# Altium PCB Board.PcbDoc (part 3 of 7) (continued)
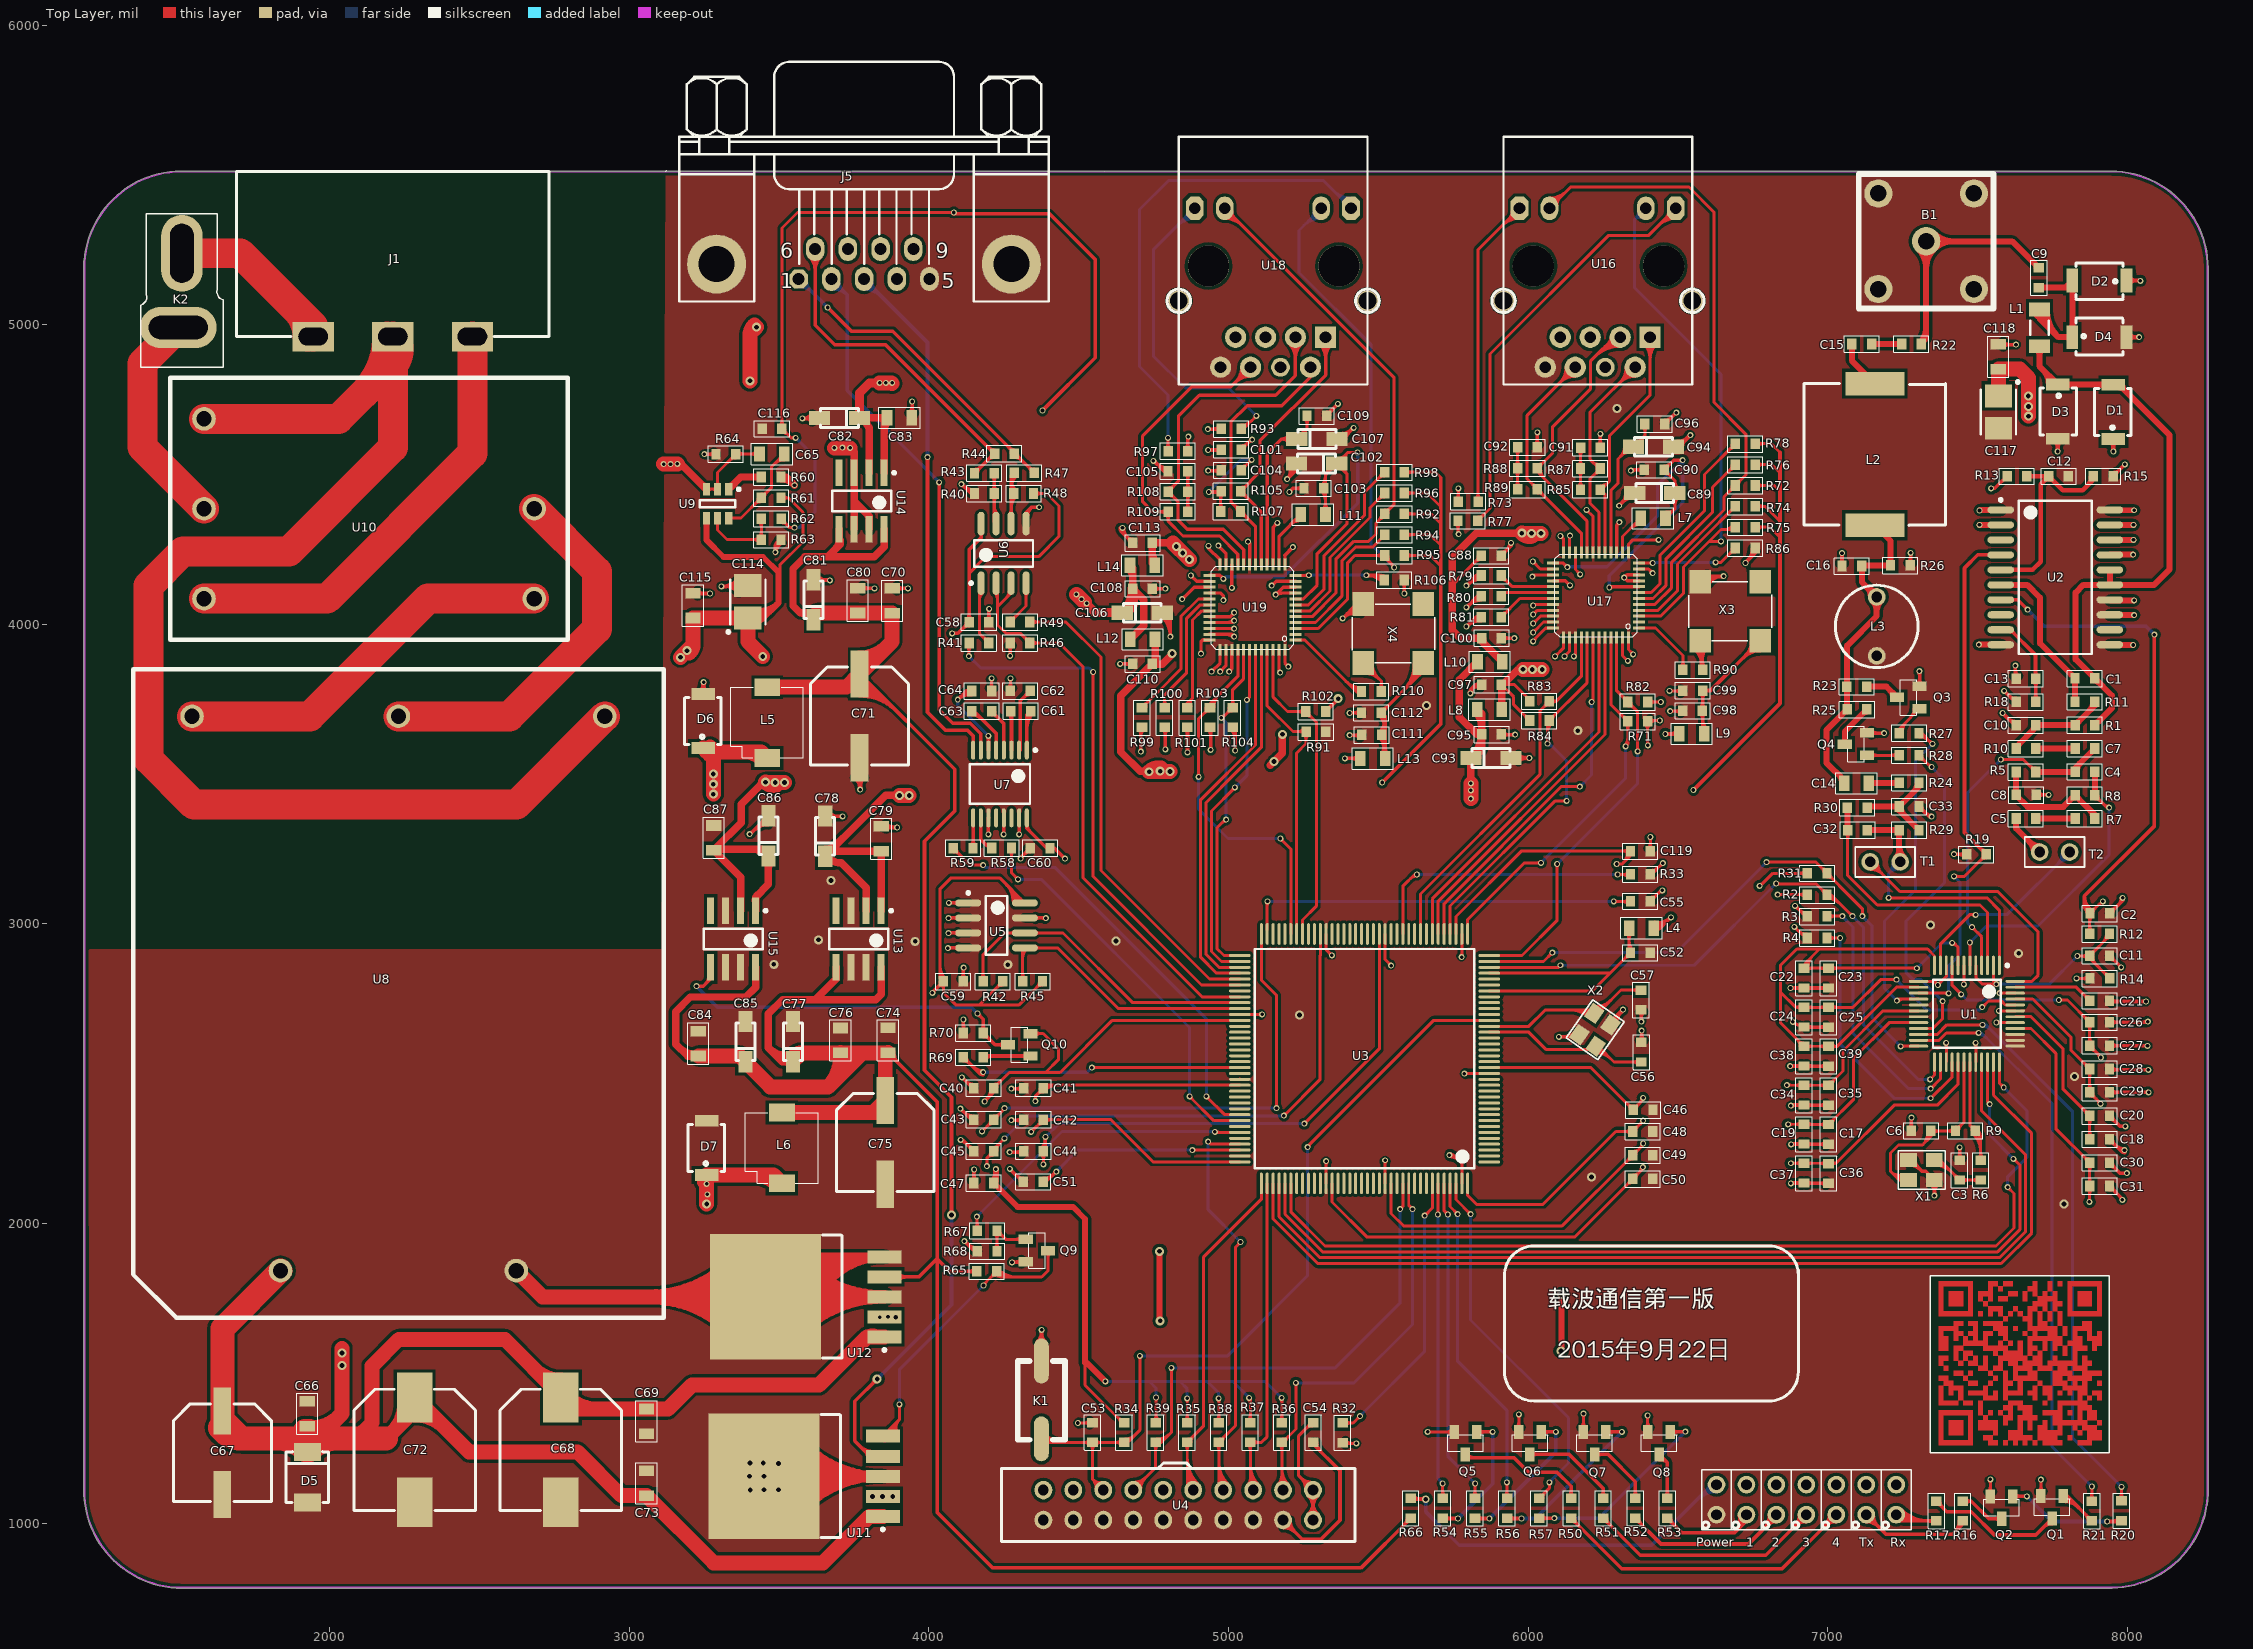
[diagram p0: Top Layer view]
## Nets (pads, with @x,y where several pads share a name; then routed paths per layer and width w, separated by ;. In a path a pad name is that pad's centre, name@x,y a point inside that pad or via, vN(x,y) a via of type N, cw(c..) or ccw(c..) an arc to the next point about the centre after c; other vN are vias at no path point) (continued)
NetQ1_2: Q1.2 R21.2 | length 255.9
  Top Layer w12: Q1.2@7787,1072.38 cw(c7787,1000.86) 7837.57,1051.43 ; Q1.2@7787,1084.38 cw(c7787,1041.83) 7817.08,1071.92 ; Q1.2@7787,1090 7799,1090 R21.2@7882,1007 ; 7862,1027 cw(c7842,1007) R21.2@7870.28,1007 ; R21.2@7866.75,1022.25 ccw(c7880.03,1035.53) R21.2@7880.03,1016.75
NetQ1_3: Q1.3 R17.1 | length 526.6
  Top Layer w12: R17.1@7363,1073 7398,1038 7479,1038 7557,960 7694.4,960 Q1.3@7749.6,1015.2 ; R17.1@7364.97,1063.25 cw(c7364.97,1044.47) R17.1@7378.25,1057.75 ; R17.1@7374.72,1073 ccw(c7403,1073) 7383,1053 ; 7719.52,985.11 cw(c7749.6,955.03) Q1.3@7749.6,997.57
NetQ2_2: Q2.2 R20.1 | length 473
  Top Layer w12: Q2.2@7618,1089 v1(7665,1089) ; Q2.2@7624.89,1082.11 cw(c7641.53,1065.47) 7641.53,1089 cw(c7641.53,1112.53) Q2.2@7624.89,1095.89 ; v1(7933,1005) 7978,1005 R20.1@7981,1008 ; 7948.26,1005 ccw(c7948.26,1038.78) R20.1@7972.14,1014.89 ; 7962.74,1005 cw(c7962.74,991.71) R20.1@7972.14,1001.11
  Bottom Layer w12: v1(7665,1089) 7749,1005 v1(7933,1005)
NetQ2_3: Q2.3 R16.1 | length 227.9
  Top Layer w12: R16.1@7451,1073 7480,1073 7538.8,1014.2 Q2.3@7580.6,1014.2 ; R16.1@7459.86,1066.11 cw(c7476.5,1049.47) 7476.5,1073 cw(c7476.5,1096.53) R16.1@7459.86,1079.89 ; Q2.3@7573.71,1007.3 ccw(c7557.06,990.66) 7557.06,1014.2 ccw(c7557.06,1037.73) Q2.3@7573.71,1021.09
NetQ3_2: Q3.2 R27.1 | length 229.2
  Top Layer w10: R27.1@7239,3637 7239,3651 Q3.2@7307,3719 ; R27.1@7239.75,3638.97 cw(c7270.6,3638.97) 7248.78,3660.78 ; R27.1@7249.75,3638.97 cw(c7304.74,3638.97) 7265.86,3677.86 ; 7275.21,3687.21 ccw(c7243.42,3719) Q3.2@7288.38,3719 ; Q3.2@7292.28,3704.28 ccw(c7277.56,3719) Q3.2@7298.38,3719
NetQ3_3: Q3.3 R23.1 | length 142.8
  Top Layer w20: R23.1@7130,3792 7196.6,3792 Q3.3@7232.2,3756.4 ; 7208.94,3779.66 cw(c7185.69,3756.4) Q3.3@7218.57,3756.4
NetQ4_2: Q4.2 R28.1 | length 188.5
  Top Layer w10: Q4.2@7132,3563 R28.1@7239,3563 ; Q4.2@7147.47,3555.4 cw(c7165.82,3537.05) 7165.82,3563 cw(c7165.82,3588.95) Q4.2@7147.47,3570.6 ; R28.1@7231.4,3555.4 ccw(c7213.05,3537.05) 7213.05,3563 ccw(c7213.05,3588.95) R28.1@7231.4,3570.6
NetQ4_3: Q4.3 R25.1 | length 160.8
  Top Layer w20: Q4.3@7057.2,3600.4 7057.2,3642.2 R25.1@7131,3716 ; R25.1@7117.83,3702.83 cw(c7131,3689.65) R25.1@7131,3708.28
NetQ5_2: Q5.2 R54.1 | length 515.8
  Top Layer w12: R54.1@5715.68,1016.15 5716.83,1015 v1(5766,1015) ; R54.1@5724.55,1009.26 cw(c5738.41,995.39) 5738.41,1015 ; R54.1@5724.55,1023.04 ccw(c5743.96,1042.46) 5743.96,1015 ; Q5.2@5828,1304 v1(5882,1304) ; Q5.2@5834.89,1297.11 cw(c5851.53,1280.47) 5851.53,1304 cw(c5851.53,1327.53) Q5.2@5834.89,1310.89
  Bottom Layer w12: v1(5766,1015) 5882,1131 v1(5882,1304)
NetQ5_3: Q5.3 R50.1 | length 511.6
  Top Layer w12: Q5.3@5790.6,1229.2 5801.8,1218 5953,1218 6001,1170 6096,1170 6143.62,1122.38 R50.1@6143.62,1082 ; Q5.3@5797.49,1214.43 cw(c5806.11,1205.81) Q5.3@5806.11,1218 ; Q5.3@5797.49,1228.22 ccw(c5822.15,1252.88) 5822.15,1218 ; R50.1@6136.73,1088.89 ccw(c6120.09,1105.53) 6143.62,1105.53 ccw(c6167.16,1105.53) R50.1@6150.52,1088.89
NetQ6_2: Q6.2 R55.1 | length 552.9
  Top Layer w12: R55.1@5822.81,1016.15 5823.96,1015 v1(5871,1015) ; R55.1@5831.67,1009.26 cw(c5845.54,995.39) 5845.54,1015 ; R55.1@5831.67,1023.04 ccw(c5851.09,1042.46) 5851.09,1015 ; Q6.2@6043.67,1304 v1(6093,1304) ; Q6.2@6050.56,1297.11 cw(c6067.2,1280.47) 6067.2,1304 cw(c6067.2,1327.53) Q6.2@6050.56,1310.89
  Bottom Layer w12: v1(5871,1015) 6093,1237 v1(6093,1304)
NetQ6_3: Q6.3 R51.1 | length 398.9
  Top Layer w12: Q6.3@6006.27,1229.2 6136.8,1229.2 6250.75,1115.25 R51.1@6250.75,1082 ; Q6.3@6013.16,1222.3 cw(c6029.8,1205.66) 6029.8,1229.2 cw(c6029.8,1252.73) Q6.3@6013.16,1236.09 ; R51.1@6243.86,1088.89 ccw(c6227.22,1105.53) 6250.75,1105.53 ccw(c6274.28,1105.53) R51.1@6257.64,1088.89
NetQ7_2: Q7.2 R56.1 | length 630.9
  Top Layer w12: R56.1@5929.93,1016.15 5931.08,1015 v1(5978,1015) ; R56.1@5938.8,1009.26 cw(c5952.66,995.39) 5952.66,1015 ; R56.1@5938.8,1023.04 ccw(c5958.21,1042.46) 5958.21,1015 ; Q7.2@6259.33,1304 v1(6313,1304) ; Q7.2@6266.23,1297.11 cw(c6282.87,1280.47) 6282.87,1304 cw(c6282.87,1327.53) Q7.2@6266.23,1310.89
  Bottom Layer w12: v1(5978,1015) 6024,1015 v1(6313,1304)
NetQ7_3: Q7.3 R52.1 | length 303.7
  Top Layer w12: Q7.3@6221.93,1229.2 6266.8,1229.2 6357.87,1138.13 R52.1@6357.87,1082 ; Q7.3@6228.82,1222.3 cw(c6245.47,1205.66) 6245.47,1229.2 cw(c6245.47,1252.73) Q7.3@6228.82,1236.09 ; R52.1@6350.98,1088.89 ccw(c6334.34,1105.53) 6357.87,1105.53 ccw(c6381.41,1105.53) R52.1@6364.77,1088.89
NetQ8_2: Q8.2 R57.1 | length 732.1
  Top Layer w12: R57.1@6037.06,1016.15 6037.21,1016 v1(6088,1016) ; R57.1@6045.92,1009.26 cw(c6062.2,992.98) 6062.2,1016 ; R57.1@6045.92,1023.04 ccw(c6062.92,1040.04) 6062.92,1016 ; Q8.2@6475,1304 6476,1305 v1(6525,1305) ; Q8.2@6481.89,1297.11 cw(c6500.95,1278.05) 6500.95,1305 ; Q8.2@6481.89,1310.89 ccw(c6496.12,1325.12) 6496.12,1305
  Bottom Layer w12: v1(6088,1016) 6236,1016 v1(6525,1305)
NetQ8_3: Q8.3 R53.1 | length 224.8
  Top Layer w12: Q8.3@6437.6,1229.2 6465,1201.8 ; Q8.3@6438.37,1211.61 cw(c6441.06,1177.86) 6465,1201.8 ; R53.1@6458.11,1088.89 ccw(c6441.47,1105.53) 6465,1105.53 ccw(c6488.53,1105.53) R53.1@6471.89,1088.89 ; R53.1@6465,1082 6465,1201.8
NetQ9_2: Q9.2 R67.1 R68.2 | length 340
  Top Layer w10: R68.2@4219.4,1916.57 ccw(c4201.05,1934.92) 4227,1934.92 ccw(c4252.95,1934.92) R68.2@4234.6,1916.57 ; R67.1@4219.4,1966.43 cw(c4201.05,1948.08) 4227,1948.08 cw(c4252.95,1948.08) R67.1@4234.6,1966.43 ; R68.2@4227,1907 R67.1@4227,1976 4256,1947 Q9.2@4323,1947 ; R67.1@4227,1963.28 cw(c4227,1932.58) 4248.71,1954.29 ; R67.1@4237.75,1974.03 ccw(c4258.94,1974.03) 4243.96,1959.04 ; Q9.2@4307.53,1939.4 ccw(c4289.18,1921.05) 4289.18,1947 ccw(c4289.18,1972.95) Q9.2@4307.53,1954.6
NetQ9_3: Q9.3 R65.2 U11.5 | length 1535.6
  Top Layer w10: U11.5@3846,1289.72 3901,1344.72 ; U11.5@3853.06,1272.2 cw(c3872.27,1284.06) U11.5@3856.3,1300.02 ; U11.5@3861.57,1277.45 cw(c3883.32,1290.88) U11.5@3865.24,1308.96 ; U11.5@3870.08,1282.7 cw(c3894.37,1297.71) 3874.18,1317.9 ; U11.5@3878.59,1287.96 cw(c3905.43,1304.53) 3883.12,1326.84 ; U11.5@3887.09,1293.21 cw(c3916.48,1311.36) 3892.06,1335.78 ; U11.5@3895.6,1298.47 cw(c3927.53,1318.18) 3901,1344.72 ; v1@3897.46,1392.46 cw(c3888.93,1383.93) 3901,1383.93 cw(c3913.07,1383.93) v1@3904.54,1392.46 ; v1(3901,1396) 3901,1344.72 ; v1(4182,1793) 4182,1796 R65.2@4226,1840 4245,1821 ; v1@4187,1793 cw(c4206.31,1793) 4192.66,1806.66 ; 4204.29,1818.29 cw(c4226,1796.58) R65.2@4226,1827.28 ; 4209.04,1823.04 ccw(c4194.06,1838.03) R65.2@4215.25,1838.03 ; R65.2@4219.46,1831.49 ccw(c4244.78,1856.81) 4244.78,1821 ; R65.2@4226.53,1838.56 ccw(c4268.92,1880.95) 4268.92,1821 ; R65.2@4227.12,1827.34 cw(c4229.4,1805.41) 4245,1821 ; R65.2@4233.6,1845.63 ccw(c4293.07,1905.1) 4293.07,1821 ; R65.2@4236.75,1838.03 ccw(c4257.94,1838.03) 4242.96,1823.04 ; Q9.3@4390.2,1902 cw(c4371.86,1883.65) 4397.8,1883.65 cw(c4423.75,1883.65) Q9.3@4405.4,1902 ; Q9.3@4397.8,1909.6 4397.8,1842.8 4376,1821 4245,1821
  Bottom Layer w10: v1@3897.46,1399.54 ccw(c3888.93,1408.07) 3901,1408.07 ccw(c3913.07,1408.07) v1@3904.54,1399.54 ; v1(3901,1396) 3901,1512 v1(4182,1793) ; v1@4177,1793 cw(c4164.93,1793) 4173.46,1784.46 cw(c4182,1775.93) v1@4182,1788
NetQ10_2: Q10.2 R69.1 | length 233.6
  Top Layer w12: R69.1@4181,2555 4185,2559 Q10.2@4339,2559 ; R69.1@4187.89,2550.08 cw(c4209.44,2528.53) 4209.44,2559 ; R69.1@4187.89,2563.86 ccw(c4199.63,2575.6) 4199.63,2559 ; Q10.2@4324.23,2552.11 ccw(c4307.59,2535.47) 4307.59,2559 ccw(c4307.59,2582.53) Q10.2@4324.23,2565.89
NetQ10_3: Q10.3 R70.2 U15.5 | length 1376
  Top Layer w12: v1(3224,2792) 3246,2792 3271,2817 U15.5@3271,2855.02 ; 3257.16,2803.16 ccw(c3237.78,2822.54) U15.5@3265.19,2822.54 ; v1(4162,2701) 4181,2682 R70.2@4181,2636 4220.6,2596.4 Q10.3@4264.2,2596.4 ; R70.2@4174.11,2644.86 ccw(c4157.47,2661.5) 4181,2661.5 ccw(c4204.53,2661.5) R70.2@4187.89,2644.86 ; R70.2@4181,2624.28 cw(c4181,2596) 4201,2616 ; R70.2@4190.75,2634.03 ccw(c4209.53,2634.03) R70.2@4196.25,2620.75 ; Q10.3@4249.43,2589.51 ccw(c4232.79,2572.87) 4232.79,2596.4 ccw(c4232.79,2619.94) Q10.3@4249.43,2603.29
  Bottom Layer w12: v1(3224,2792) 3294,2722 4141,2722 v1(4162,2701)
NetR40_1: R40.1 R43.2 U6.7 | length 309.1
  Top Layer w12: R40.1@4211.11,4428.14 cw(c4194.47,4411.5) 4218,4411.5 cw(c4241.53,4411.5) R40.1@4224.89,4428.14 ; R40.1@4211.11,4445.86 ccw(c4194.47,4462.5) 4218,4462.5 ccw(c4241.53,4462.5) R40.1@4224.89,4445.86 ; R43.2@4211.11,4496.14 cw(c4194.47,4479.5) 4218,4479.5 cw(c4241.53,4479.5) R43.2@4224.89,4496.14 ; 4218,4392.48 ccw(c4252.51,4392.48) U6.7@4228.11,4368.08 ; R43.2@4218,4505 R40.1@4218,4437 4218,4342.41 U6.7@4224,4336.41
NetR41_1: R41.1 U3.78 | length 1920.6
  Top Layer w10: R41.1@4126.4,3928.43 cw(c4110.47,3912.5) 4133,3912.5 ; v1@4129.46,3897.54 ccw(c4120.93,3906.07) 4133,3906.07 ccw(c4145.07,3906.07) v1@4136.54,3897.54 ; v1(4133,3894) 4133,3937 R41.1@4134,3938 ; 4133,3907.67 cw(c4162.36,3907.67) R41.1@4141.6,3928.43 ; v1@4544.46,3837.46 cw(c4535.93,3828.93) 4548,3828.93 cw(c4560.07,3828.93) v1@4551.54,3837.46 ; v1(4548,3841) 4548,3158 4909.94,2796.06 U3.78@5037.66,2796.06
  Bottom Layer w10: v1@4133,3889 cw(c4133,3876.93) 4141.54,3885.46 cw(c4150.07,3894) v1@4138,3894 ; v1(4133,3894) 4173,3854 4535,3854 v1(4548,3841) ; v1@4543,3841 ccw(c4530.93,3841) 4539.46,3849.54 ccw(c4548,3858.07) v1@4548,3846
NetR41_2: R41.2 U6.1 | length 281.6
  Top Layer w10: 4169,4081.52 cw(c4202.51,4081.52) U6.1@4178.82,4105.22 ; U6.1@4174,4137.59 4169,4132.59 4169,3969 R41.2@4200,3938 ; 4178.29,3959.71 ccw(c4200,3981.42) R41.2@4200,3950.72 ; 4183.04,3954.96 cw(c4168.06,3939.97) R41.2@4189.25,3939.97
NetR42_2: R42.2 U3.81 U5.6 | length 1165.6
  Top Layer w10: R42.2@4172.9,2817.57 ccw(c4154.55,2835.92) 4180.5,2835.92 ccw(c4206.45,2835.92) R42.2@4188.1,2817.57 ; R42.2@4180.5,2808 4180.5,2897.5 4253,2970 U5.6@4319.98,2970 4447,2970 4679.99,2737.01 U3.81@5037.66,2737.01 ; U5.6@4283.66,2965.18 ccw(c4272.04,2953.56) 4272.04,2970 ccw(c4272.04,2986.44) U5.6@4283.66,2974.82 ; U5.6@4356.29,2965.18 cw(c4367.92,2953.56) 4367.92,2970 cw(c4367.92,2986.44) U5.6@4356.29,2974.82
NetR45_2: R45.2 U3.82 U5.5 | length 1014.7
  Top Layer w10: R45.2@4305.4,2817.57 ccw(c4287.05,2835.92) 4313,2835.92 ccw(c4338.95,2835.92) R45.2@4320.6,2817.57 ; R45.2@4313,2808 4313,2913.02 U5.5@4319.98,2920 4429,2920 4631.68,2717.32 U3.82@5037.66,2717.32 ; 4313,2886.71 cw(c4353.26,2886.71) U5.5@4324.79,2915.18 ; U5.5@4356.29,2915.18 cw(c4367.92,2903.56) 4367.92,2920 cw(c4367.92,2936.44) U5.5@4356.29,2924.82
NetR46_2: R46.2 U3.80 U6.2 U6.3 | length 2105.5
  Top Layer w10: U6.2@4219.18,4105.22 cw(c4196.09,4082.13) 4228.75,4082.13 ; U6.2@4224,4137.59 4228.75,4132.84 4228.75,4059 ; 4258.29,4088.54 ccw(c4236.79,4110.03) U6.3@4267.19,4110.03 ; U6.3@4274,4137.59 4274,4104.25 4228.75,4059 ; 4315.29,3959.71 ccw(c4337,3981.42) R46.2@4337,3950.72 ; 4320.04,3954.96 cw(c4305.06,3939.97) R46.2@4326.25,3939.97 ; R46.2@4344.6,3930.4 cw(c4362.95,3912.05) 4362.95,3938 cw(c4362.95,3963.95) R46.2@4344.6,3945.6 ; U3.80@5037.66,2756.69 4911.79,2756.69 4514.94,3153.54 4514.94,3858 4434.94,3938 R46.2@4337,3938 4305,3970 4257,3970 4228.75,3998.25 4228.75,4059
NetR47_2: R47.2 R48.2 U6.6 | length 394.4
  Top Layer w12: U6.6@4269.89,4368.08 ccw(c4259.97,4378) 4274,4378 ccw(c4288.03,4378) U6.6@4278.11,4368.08 ; U6.6@4274,4336.41 4274,4495 R47.2@4285,4506 ; 4274,4389.77 cw(c4328.26,4389.77) R48.2@4289.89,4428.14 ; 4274,4418.74 cw(c4299.29,4418.74) R48.2@4281.41,4436.62 ; R48.2@4274,4453.94 cw(c4335.09,4453.94) R47.2@4291.89,4497.14 ; 4274,4455.26 ccw(c4299.29,4455.26) R48.2@4281.41,4437.38 ; 4274,4482.91 cw(c4306.12,4482.91) R47.2@4283.41,4505.62 ; 4274,4484.23 ccw(c4328.26,4484.23) R48.2@4289.89,4445.86
NetR49_1: R49.1 U3.77 | length 1652.9
  Top Layer w10: R49.1@4337,4008 4457,4008 4574,3891 4574,3178 4936.25,2815.75 U3.77@5037.66,2815.75 ; R49.1@4344.6,4000.4 cw(c4362.95,3982.05) 4362.95,4008 cw(c4362.95,4033.95) R49.1@4344.6,4015.6
NetR49_2: R49.2 U6.4 | length 218.1
  Top Layer w10: R49.2@4271,4008 4324,4061 U6.4@4324,4137.59 ; R49.2@4271,4020.72 ccw(c4271,4051.42) 4292.71,4029.71 ; R49.2@4281.75,4009.97 cw(c4302.94,4009.97) 4287.96,4024.96 ; U6.4@4319.18,4105.22 cw(c4307.56,4093.59) 4324,4093.59 cw(c4340.44,4093.59) U6.4@4328.82,4105.22
NetR54_2: R54.2 U3.139 | length 1156.5
  Top Layer w10: v1(5699,2030) 5700.06,2031.06 U3.139@5700.06,2133.66 ; R54.2@5708.08,1089.75 ccw(c5691.39,1106.45) 5715,1106.45 ; v1@5711.46,1128.46 cw(c5702.93,1119.93) 5715,1119.93 cw(c5727.07,1119.93) v1@5718.54,1128.46 ; 5715,1109.75 ccw(c5743.28,1109.75) R54.2@5723.28,1089.75 ; v1(5715,1132) 5715,1082.83 R54.2@5715.68,1082.15
  Bottom Layer w10: v1@5695.46,2026.46 cw(c5686.93,2017.93) 5699,2017.93 cw(c5711.07,2017.93) v1@5702.54,2026.46 ; v1(5699,2030) 5699,1148 v1(5715,1132) ; v1@5710,1132 ccw(c5697.93,1132) 5706.46,1140.54 ccw(c5715,1149.07) v1@5715,1137
NetR55_2: R55.2 U3.140 | length 1211
  Top Layer w10: U3.140@5719.75,2133.66 5719.75,2042.25 v1(5732,2030) ; v1@5727,2030 ccw(c5714.93,2030) 5723.46,2038.54 ccw(c5732,2047.07) v1@5732,2035 ; R55.2@5815.21,1089.75 ccw(c5796.4,1108.56) 5823,1108.56 ; v1@5819.46,1128.46 cw(c5810.93,1119.93) 5823,1119.93 cw(c5835.07,1119.93) v1@5826.54,1128.46 ; R55.2@5822.81,1082.15 5823,1082.34 v1(5823,1132) ; 5823,1107.64 ccw(c5848.3,1107.64) R55.2@5830.41,1089.75
  Bottom Layer w10: v1@5728.46,2026.46 cw(c5719.93,2017.93) 5732,2017.93 cw(c5744.07,2017.93) v1@5735.54,2026.46 ; v1(5732,2030) 5732,1223 v1(5823,1132) ; v1@5818,1132 ccw(c5805.93,1132) 5814.46,1140.54 ccw(c5823,1149.07) v1@5823,1137
NetR56_2: R56.2 U3.141 | length 1247
  Top Layer w10: U3.141@5739.43,2133.66 5739.43,2056.57 v1(5765,2031) ; v1@5760,2031 ccw(c5747.93,2031) 5756.46,2039.54 ccw(c5765,2048.07) v1@5765,2036 ; R56.2@5922.33,1089.75 ccw(c5906.24,1105.84) 5929,1105.84 ; v1@5925.46,1132.46 cw(c5916.93,1123.93) 5929,1123.93 cw(c5941.07,1123.93) v1@5932.54,1132.46 ; 5929,1110.35 ccw(c5958.14,1110.35) R56.2@5937.53,1089.75 ; v1(5929,1136) 5929,1083.08 R56.2@5929.93,1082.15
  Bottom Layer w10: v1@5761.46,2027.46 cw(c5752.93,2018.93) 5765,2018.93 cw(c5777.07,2018.93) v1@5768.54,2027.46 ; v1(5765,2031) 5765,1540 5929,1376 v1(5929,1136) ; v1@5925.46,1139.54 ccw(c5916.93,1148.07) 5929,1148.07 ccw(c5941.07,1148.07) v1@5932.54,1139.54
NetR57_2: R57.2 U3.142 | length 1364.4
  Top Layer w10: U3.142@5759.12,2133.66 5759.12,2079.88 v1(5808,2031) ; v1@5803,2031 ccw(c5790.93,2031) 5799.46,2039.54 ccw(c5808,2048.07) v1@5808,2036 ; R57.2@6037.06,1082.15 6071,1116.09 v1(6071,1136) ; R57.2@6039.03,1092.9 ccw(c6039.03,1114.09) 6054.01,1099.11 ; R57.2@6049.78,1082.15 cw(c6080.48,1082.15) 6058.77,1103.86 ; v1@6067.46,1132.46 cw(c6058.93,1123.93) 6071,1123.93 cw(c6083.07,1123.93) v1@6074.54,1132.46
  Bottom Layer w10: v1@5804.46,2027.46 cw(c5795.93,2018.93) 5808,2018.93 cw(c5820.07,2018.93) v1@5811.54,2027.46 ; v1(5808,2031) 5808,1678 6135,1351 6135,1200 v1(6071,1136) ; v1@6071,1141 ccw(c6071,1153.07) 6079.54,1144.54 ccw(c6088.07,1136) v1@6076,1136
NetR58_1: R58.1 U3.101 | length 1439.3
  Top Layer w10: R58.1@4267.75,3243.99 cw(c4249.4,3225.64) 4275.35,3225.64 cw(c4301.3,3225.64) R58.1@4282.95,3243.99 ; R58.1@4275.35,3253.56 4275.35,3170.65 v1(4297,3149) ; v1@4292,3149 ccw(c4279.93,3149) 4288.46,3157.54 ccw(c4297,3166.07) v1@4297,3154 ; v1@4870,2419 cw(c4870,2406.93) 4878.54,2415.46 cw(c4887.07,2424) v1@4875,2424 ; v1(4870,2424) 4950.69,2343.31 U3.101@5037.66,2343.31
  Bottom Layer w10: v1(4297,3149) 4375,3149 4870,2654 v1(4870,2424) ; v1@4300.54,3145.46 cw(c4309.07,3136.93) 4309.07,3149 cw(c4309.07,3161.07) v1@4300.54,3152.54 ; v1@4866.46,2427.54 ccw(c4857.93,2436.07) 4870,2436.07 ccw(c4882.07,2436.07) v1@4873.54,2427.54
NetR58_2: R58.2 U7.10 | length 110.6
  Top Layer w12: U7.10@4173.02,3353.81 4173.02,3281.98 4192,3263 ccw(c4197.53,3268.53) R58.2@4202.79,3262.74
NetR59_1: R59.1 U3.100 | length 1574.7
  Top Layer w10: R59.1@4081,3240.28 cw(c4081,3209.58) 4102.71,3231.29 ; R59.1@4081,3253 4138,3196 v1(4181,3196) ; R59.1@4091.75,3251.03 ccw(c4112.94,3251.03) 4097.96,3236.04 ; v1@4177.46,3192.46 ccw(c4168.93,3183.93) 4168.93,3196 ccw(c4168.93,3208.07) v1@4177.46,3199.54 ; v1@4926,2419 cw(c4926,2406.93) 4934.54,2415.46 cw(c4943.07,2424) v1@4931,2424 ; v1(4926,2424) 4987.01,2362.99 U3.100@5037.66,2362.99
  Bottom Layer w10: v1(4181,3196) 4188,3189 4420,3189 4926,2683 v1(4926,2424) ; v1@4922.46,2427.54 ccw(c4913.93,2436.07) 4926,2436.07 ccw(c4938.07,2436.07) v1@4929.54,2427.54
NetR59_2: R59.2 U7.9 | length 138
  Top Layer w12: R59.2@4140.11,3261.86 ccw(c4122.42,3279.55) 4147.43,3279.55 ; R59.2@4147,3253 4147.43,3253.43 U7.9@4147.43,3353.81 ; 4147.43,3277.46 ccw(c4169.49,3277.46) R59.2@4153.89,3261.86
NetR60_2: R60.2 U9.1 | length 141
  Top Layer w25: U9.1@3331.4,4451.23 3372.17,4492 R60.2@3440,4492 ; U9.1@3331.4,4459.4 ccw(c3331.4,4479.12) 3345.35,4465.17
NetR62_1: R62.1 R63.2 U9.5 | length 416.3
  Top Layer w10: U9.5@3289.18,4341.1 cw(c3277.56,4329.47) 3294,4329.47 cw(c3310.44,4329.47) U9.5@3298.82,4341.1 ; U9.5@3294,4354.77 3294,4315 3326,4283 R63.2@3440,4283 3440.15,4283.15 R62.1@3440.15,4352.11 ; R63.2@3432.4,4275.4 ccw(c3414.05,4257.05) 3414.05,4283 ccw(c3414.05,4308.95) R63.2@3432.4,4290.6 ; R63.2@3432.4,4292.57 ccw(c3413.69,4311.28) 3440.15,4311.28 ; R62.1@3432.55,4342.54 cw(c3414.2,4324.19) 3440.15,4324.19 cw(c3466.1,4324.19) R62.1@3447.75,4342.54 ; 3440.15,4310.56 ccw(c3465.59,4310.56) R63.2@3447.6,4292.57
NetR67_2: R67.2 U3.103 | length 1143
  Top Layer w10: R67.2@4153.4,1985.57 ccw(c4135.05,2003.92) 4161,2003.92 ccw(c4186.95,2003.92) R67.2@4168.6,1985.57 ; v1@4156.46,2019.46 cw(c4145.51,2008.51) 4161,2008.51 ; v1(4160,2023) 4161,2022 R67.2@4161,1976 ; v1@4956.06,2303.94 U3.103@5037.66,2303.94 ; v1@4957.54,2309.54 ccw(c4971.05,2323.05) 4971.05,2303.94
  Top Layer w12: v1(4954,2306) v1@4956.06,2303.94
  Bottom Layer w10: v1(4160,2023) 4444,2307 4953,2307 v1(4954,2306) ; v1@4160,2028 ccw(c4160,2040.07) 4168.54,2031.54 ccw(c4177.07,2023) v1@4165,2023 ; 4939.51,2307 cw(c4939.51,2291.51) v1@4950.46,2302.46
NetR69_2: R69.2 U3.92 | length 1058.8
  Top Layer w10: v1(4543.47,2520.47) U3.92@5037.66,2520.47 ; v1@4547.01,2516.94 cw(c4555.54,2508.4) 4555.54,2520.47 cw(c4555.54,2532.54) v1@4547.01,2524.01
  Top Layer w12: R69.2@4115,2543.28 cw(c4115,2515) 4135,2535 ; R69.2@4115,2555 4165,2505 v1(4181,2505) ; R69.2@4124.75,2553.03 ccw(c4143.53,2553.03) R69.2@4130.25,2539.75 ; 4146.86,2523.14 ccw(c4181,2557.28) v1@4181,2509 ; 4167.34,2502.66 ccw(c4181,2516.31) v1@4181,2497
  Bottom Layer w12: v1(4181,2505) 4528,2505 v1(4543.47,2520.47)
NetR73_1: R73.1 U16.12 | length 1216.5
  Top Layer w10: R73.1@5825.4,4419.57 ccw(c5807.05,4437.92) 5833,4437.92 ccw(c5858.95,4437.92) R73.1@5840.6,4419.57 ; R73.1@5833,4410 5833,5250.75 U16.12@5971.43,5389.17 ; 5912.75,5330.5 cw(c5971.43,5271.83) U16.12@5971.43,5354.8 ; 5929.82,5347.57 cw(c5971.43,5305.97) U16.12@5971.43,5364.8 ; 5936.51,5354.26 ccw(c5911.44,5379.33) U16.12@5946.9,5379.33
NetR77_1: R77.1 U16.9 | length 1575.4
  Top Layer w10: R77.1@5832,4346 5873,4387 5873,4903 6269,5299 6402.9,5299 U16.9@6493.08,5389.17 ; R77.1@5832,4358.72 ccw(c5832,4389.42) 5853.71,4367.71 ; R77.1@5842.75,4347.97 cw(c5863.94,4347.97) 5848.96,4362.96 ; 6434.4,5330.5 cw(c6493.08,5271.83) U16.9@6493.08,5354.8 ; 6451.48,5347.57 cw(c6493.08,5305.97) U16.9@6493.08,5364.8 ; 6458.17,5354.26 ccw(c6433.1,5379.33) U16.9@6468.55,5379.33
NetR86_2: R86.2 U17.12 | length 435.4
  Top Layer w10: U17.12@6371,4204.54 6415.54,4204.54 v1(6416,4205) ; v1(6626,4207) 6644,4207 R86.2@6692,4255 ; v1@6629.54,4203.46 cw(c6638.07,4194.93) 6638.07,4207 cw(c6638.07,4219.07) v1@6629.54,4210.54 ; 6670.29,4233.29 cw(c6692,4211.58) R86.2@6692,4242.28 ; 6675.04,4238.04 ccw(c6660.06,4253.03) R86.2@6681.25,4253.03
  Bottom Layer w10: v1(6416,4205) 6418,4207 v1(6626,4207) ; v1@6419.54,4201.46 cw(c6432.9,4188.1) 6432.9,4207 ; v1@6622.46,4203.46 ccw(c6613.93,4194.93) 6613.93,4207 ccw(c6613.93,4219.07) v1@6622.46,4210.54
NetR90_1: R90.1 X3.3 | length 398.8
  Top Layer w10: X3.3@6553.48,3919.69 cw(c6482.21,3848.43) R90.1@6583,3848.43 ; X3.3@6560.55,3926.76 cw(c6506.36,3872.57) 6583,3872.57 ; X3.3@6567.62,3933.84 cw(c6530.5,3896.71) 6583,3896.71 ; R90.1@6573.83,3855.57 ccw(c6552.74,3868.45) 6576.76,3874.26 ; X3.3@6575,3945.15 6583,3937.15 R90.1@6583,3848 ; R90.1@6575.4,3857.57 ccw(c6557.05,3875.92) 6583,3875.92 ccw(c6608.95,3875.92) R90.1@6590.6,3857.57 ; 6576.35,3875.96 ccw(c6602.77,3882.34) R90.1@6588.6,3859.14 ; 6583,3887.05 cw(c6629.16,3887.05) X3.3@6596.52,3919.69
NetR93_1: R93.1 U18.12 | length 1283.3
  Top Layer w10: R93.1@5041.85,4652.91 5049.91,4652.91 v1(5093,4696) ; R93.1@5041.85,4655.63 ccw(c5041.85,4681.65) 5060.25,4663.25 ; R93.1@5041.85,4665.63 ccw(c5041.85,4715.79) 5077.32,4680.32 ; v1@5088,4696 cw(c5075.93,4696) 5084.46,4687.46 cw(c5093,4678.93) v1@5093,4691
  Bottom Layer w10: 4828.75,5330.5 cw(c4887.43,5271.83) U18.12@4887.43,5354.8 ; 4845.82,5347.57 cw(c4887.43,5305.97) U18.12@4887.43,5364.8 ; 4852.51,5354.26 ccw(c4827.44,5379.33) U18.12@4862.9,5379.33 ; U18.12@4887.43,5389.17 4749,5250.75 4749,4896 4856,4789 5000,4789 v1(5093,4696) ; v1@5088,4696 ccw(c5075.93,4696) 5084.46,4704.54 ccw(c5093,4713.07) v1@5093,4701
NetR97_1: R97.1 U18.9 | length 1849
  Top Layer w10: R97.1@4790.55,4587.57 ccw(c4772.56,4605.56) 4798,4605.56 ; v1@4794.46,4619.46 cw(c4785.93,4610.93) 4798,4610.93 cw(c4810.07,4610.93) v1@4801.54,4619.46 ; 4798,4606.28 ccw(c4824.46,4606.28) R97.1@4805.75,4587.57 ; v1(4798,4623) 4798,4578.15 R97.1@4798.15,4578
  Bottom Layer w10: v1@4794.46,4626.54 ccw(c4785.93,4635.07) 4798,4635.07 ccw(c4810.07,4635.07) v1@4801.54,4626.54 ; v1(4798,4623) 4798,4766 4703,4861 4703,5385 4800,5482 5316.25,5482 U18.9@5409.08,5389.17 ; 5350.4,5447.85 ccw(c5409.08,5506.52) U18.9@5409.08,5423.54 ; 5367.48,5430.78 ccw(c5409.08,5472.38) U18.9@5409.08,5413.54 ; 5374.17,5424.08 cw(c5349.1,5399.02) U18.9@5384.55,5399.02
NetR106_2: R106.2 U19.12 | length 544.1
  Top Layer w10: U19.12@5224,4163.54 5267.54,4163.54 v1(5268,4164) ; 5254.83,4163.54 ccw(c5254.83,4177.17) v1@5264.46,4167.54 ; 5257.03,4163.54 cw(c5257.03,4153.03) v1@5264.46,4160.46 ; v1(5460,4164) 5504,4164 ; v1@5460.18,4164 cw(c5460.18,4090.15) R106.2@5512.4,4142.37 ; v1@5462.5,4159.67 cw(c5468.61,4149.08) 5471.78,4160.89 ; v1@5463.54,4160.46 cw(c5472.07,4151.93) 5472.07,4164 cw(c5472.07,4176.07) v1@5463.54,4167.54 ; v1@5464.33,4166.5 ccw(c5474.65,4172.46) 5471.56,4160.95 ; 5484.32,4164 cw(c5484.32,4114.29) R106.2@5519.47,4149.44 ; R106.2@5508.46,4164 cw(c5508.46,4138.43) R106.2@5526.54,4156.51 ; R106.2@5509.26,4150.45 ccw(c5491.25,4151.25) 5504,4164 ; R106.2@5517.31,4160.37 cw(c5513.82,4173.82) 5504,4164 ; R106.2@5520,4148 5504,4164
  Bottom Layer w10: v1(5268,4164) v1(5460,4164) ; v1@5271.54,4160.46 cw(c5280.07,4151.93) 5280.07,4164 cw(c5280.07,4176.07) v1@5271.54,4167.54 ; v1@5456.46,4160.46 ccw(c5447.93,4151.93) 5447.93,4164 ccw(c5447.93,4176.07) v1@5456.46,4167.54
NetR110_1: R110.1 X4.3 | length 353.7
  Top Layer w10: X4.3@5450,3836.78 cw(c5450,3753.8) 5508.67,3812.48 ; X4.3@5450,3846.78 cw(c5450,3787.94) 5491.6,3829.55 ; X4.3@5450,3871.15 5510,3811.15 R110.1@5510,3776 ; X4.3@5470.43,3867.21 ccw(c5510.26,3867.21) X4.3@5482.1,3839.05 ; X4.3@5480.43,3867.21 ccw(c5544.4,3867.21) 5499.17,3821.98 ; R110.1@5502.4,3785.57 ccw(c5484.05,3803.92) 5510,3803.92 ccw(c5535.95,3803.92) R110.1@5517.6,3785.57
NetT1_2: T1.2 U1.48 | length 1035.2
  Top Layer w10: T1.2@7142,3182.47 cw(c7142,3123.26) 7183.87,3165.13 cw(c7225.74,3207) T1.2@7166.53,3207 ; T1.2@7142,3192.47 cw(c7142,3157.4) 7166.8,3182.2 cw(c7191.6,3207) T1.2@7156.53,3207 ; T1.2@7142,3207 7241,3108 7568,3108 7703,2973 7703,2829 7682.27,2808.27 U1.48@7626.42,2808.27
NetT2_2: T2.2 U1.11 | length 808.6
  Top Layer w10: U1.11@7376.42,2861.42 7376.42,2932.42 7476,3032 v1@7494,3032 ; 7477.1,3032 cw(c7477.1,3013.1) v1@7490.46,3026.46
  Bottom Layer w10: v1(7494,3030) 7496,3032 7600,3032 T2.2@7808,3240 ; v1@7497.54,3026.46 cw(c7510.9,3013.1) 7510.9,3032 ; T2.2@7783.47,3240 cw(c7724.26,3240) 7766.13,3198.13 cw(c7808,3156.26) T2.2@7808,3215.47 ; T2.2@7793.47,3240 cw(c7758.4,3240) 7783.2,3215.2 cw(c7808,3190.4) T2.2@7808,3225.47
NetU8_2: U8.2 U10.5 | length 1271.8
  Top Layer w100: U8.2@2228.75,3693 2599.75,3693 2891.75,3985 2891.75,4176.36 U10.5@2682.11,4386
NetU8_3: U8.3 U10.4 | length 1305.1
  Top Layer w100: U8.3@1539.77,3693 1933.75,3693 2326.75,4086 U10.4@2682.11,4086
NRST: C53.2 K1.2 R34.1 U3.25 U4.15 | length 3190.3
  Top Layer w10: K1.2@4382.07,1288.07 ccw(c4427.75,1333.75) 4427.75,1269.15 ; K1.2@4389.14,1295.14 ccw(c4451.89,1357.89) 4451.89,1269.15 ; 4403.61,1269.15 cw(c4403.61,1309.61) K1.2@4375,1281 4386.85,1269.15 R34.1@4651.76,1269.15 4663.15,1269.15 4704,1310 v1(4704,1558) ; 4517.72,1269.15 cw(c4517.72,1242.69) C53.2@4536.43,1261.4 ; 4518.44,1269.15 ccw(c4518.44,1294.59) C53.2@4536.43,1276.6 ; C53.2@4538.4,1261.4 cw(c4520.05,1243.05) 4546,1243.05 cw(c4571.95,1243.05) C53.2@4553.6,1261.4 ; C53.2@4546,1269 4546,1146 ; C53.2@4555.57,1261.4 cw(c4574.28,1242.69) 4574.28,1269.15 ; C53.2@4555.57,1276.6 ccw(c4573.56,1294.59) 4573.56,1269.15 ; U4.15@4557.58,1113.8 ccw(c4517.61,1117.6) 4546,1146 ; 4559.79,1132.21 ccw(c4575.96,1148.38) U4.15@4579.65,1125.81 ; U4.15@4578.04,1135.68 cw(c4572.08,1172.08) 4546,1146 ; U4.15@4582,1110 4546,1146 ; R34.1@4642.2,1261.55 ccw(c4623.85,1243.2) 4623.85,1269.15 ccw(c4623.85,1295.1) R34.1@4642.2,1276.75 ; R34.1@4653.73,1269.9 ccw(c4653.73,1294.44) 4671.08,1277.08 ; R34.1@4653.73,1279.9 ccw(c4653.73,1328.58) 4688.16,1294.16 ; v1@4700.46,1554.46 cw(c4691.93,1545.93) 4704,1545.93 cw(c4716.07,1545.93) v1@4707.54,1554.46 ; v1@5263,2256 5684.95,2677.95 U3.25@5870.34,2677.95 ; v1@5269,2255 cw(c5285.9,2255) 5273.95,2266.95
  Bottom Layer w10: v1(4704,1558) 4997,1558 5264,1825 v1(5264,2255) ; v1@4707.54,1554.46 cw(c4716.07,1545.93) 4716.07,1558 cw(c4716.07,1570.07) v1@4707.54,1561.54 ; v1@5260.46,2251.46 cw(c5251.93,2242.93) 5264,2242.93 cw(c5276.07,2242.93) v1@5267.54,2251.46
NTRST: R36.1 U3.134 U4.3 | length 1615.4
  Top Layer w10: U4.3@5164.66,1128.82 ccw(c5132.94,1160.53) 5177.79,1160.53 ; R36.1@5170.19,1261.55 cw(c5151.85,1243.2) 5177.79,1243.2 cw(c5203.74,1243.2) R36.1@5185.39,1261.55 ; 5177.79,1156.7 ccw(c5227.23,1156.7) U4.3@5192.27,1121.75 ; 5177.79,1180.84 ccw(c5251.37,1180.84) U4.3@5199.34,1128.82 ; R36.1@5179.76,1279.9 ccw(c5179.76,1306.78) 5198.77,1287.77 ; U4.3@5182,1110 5177.79,1114.21 R36.1@5177.79,1269.15 5180.15,1269.15 5225,1314 v1(5225,1468) ; R36.1@5190.51,1269.15 cw(c5215.52,1269.15) 5197.84,1286.84 ; v1@5221.46,1464.46 cw(c5212.93,1455.93) 5225,1455.93 cw(c5237.07,1455.93) v1@5228.54,1464.46 ; U3.134@5601.64,2133.66 5601.64,2060.36 v1(5614,2048) ; v1@5609,2048 ccw(c5596.93,2048) 5605.46,2056.54 ccw(c5614,2065.07) v1@5614,2053
  Bottom Layer w10: v1(5225,1468) 5419,1468 5614,1663 v1(5614,2048) ; v1@5228.54,1464.46 cw(c5237.07,1455.93) 5237.07,1468 cw(c5237.07,1480.07) v1@5228.54,1471.54 ; v1@5610.46,2044.46 cw(c5601.93,2035.93) 5614,2035.93 cw(c5626.07,2035.93) v1@5617.54,2044.46
OSC_IN: C56.2 U3.23 X2.1 | length 712.1
  Top Layer w10: U3.23@5870.34,2638.58 6002.42,2638.58 6061,2580 6214,2580 X2.1@6226,2592 6234,2592 6287,2539 C56.2@6378,2539 ; X2.1@6223.74,2570.15 cw(c6223.74,2492.64) 6278.55,2547.45 ; X2.1@6223.74,2580.15 cw(c6223.74,2526.79) 6261.48,2564.52 ; X2.1@6242.36,2588.78 ccw(c6254.77,2588.78) X2.1@6246,2580 ; C56.2@6368.43,2531.4 ccw(c6350.08,2513.05) 6350.08,2539 ccw(c6350.08,2564.95) C56.2@6368.43,2546.6
OSC_OUT: C57.2 U3.24 X2.3 | length 886.5
  Top Layer w10: U3.24@5870.34,2658.27 6002.27,2658.27 6057,2713 6209.19,2713 X2.3@6220.85,2701.34 6232.34,2701.34 6310,2779 C57.2@6377,2779 ; 6137.7,2713 cw(c6137.7,2617.22) X2.3@6205.43,2684.95 ; 6161.84,2713 cw(c6161.84,2641.36) X2.3@6212.5,2692.02 ; 6185.99,2713 cw(c6185.99,2665.5) X2.3@6219.57,2699.09 ; X2.3@6223.11,2713.19 ccw(c6223.11,2764.06) 6259.09,2728.09 ; X2.3@6223.11,2723.19 ccw(c6223.11,2798.2) 6276.16,2745.16 ; X2.3@6241.73,2704.56 cw(c6256.63,2704.56) X2.3@6246.1,2715.1 ; C57.2@6367.43,2771.4 ccw(c6349.08,2753.05) 6349.08,2779 ccw(c6349.08,2804.95) C57.2@6367.43,2786.6